# Altium PCB cheriot-test.PcbDoc (part 12 of 12)
Units mil, origin at the board's own origin, x right, y up, seen from the top; angles counter-clockwise.
Board outline 6629.92 x 3149.61 mil, 8 copper layers (Top Layer, Int1 (Sign), Int2 (GND), Int3 (Sign), Int4 (Sign), Int5 (PWR), Int6 (Sign), Bottom Layer), stack 60.424 mil thick; 496 components, 639 nets, 2898 pads, 1737 vias.
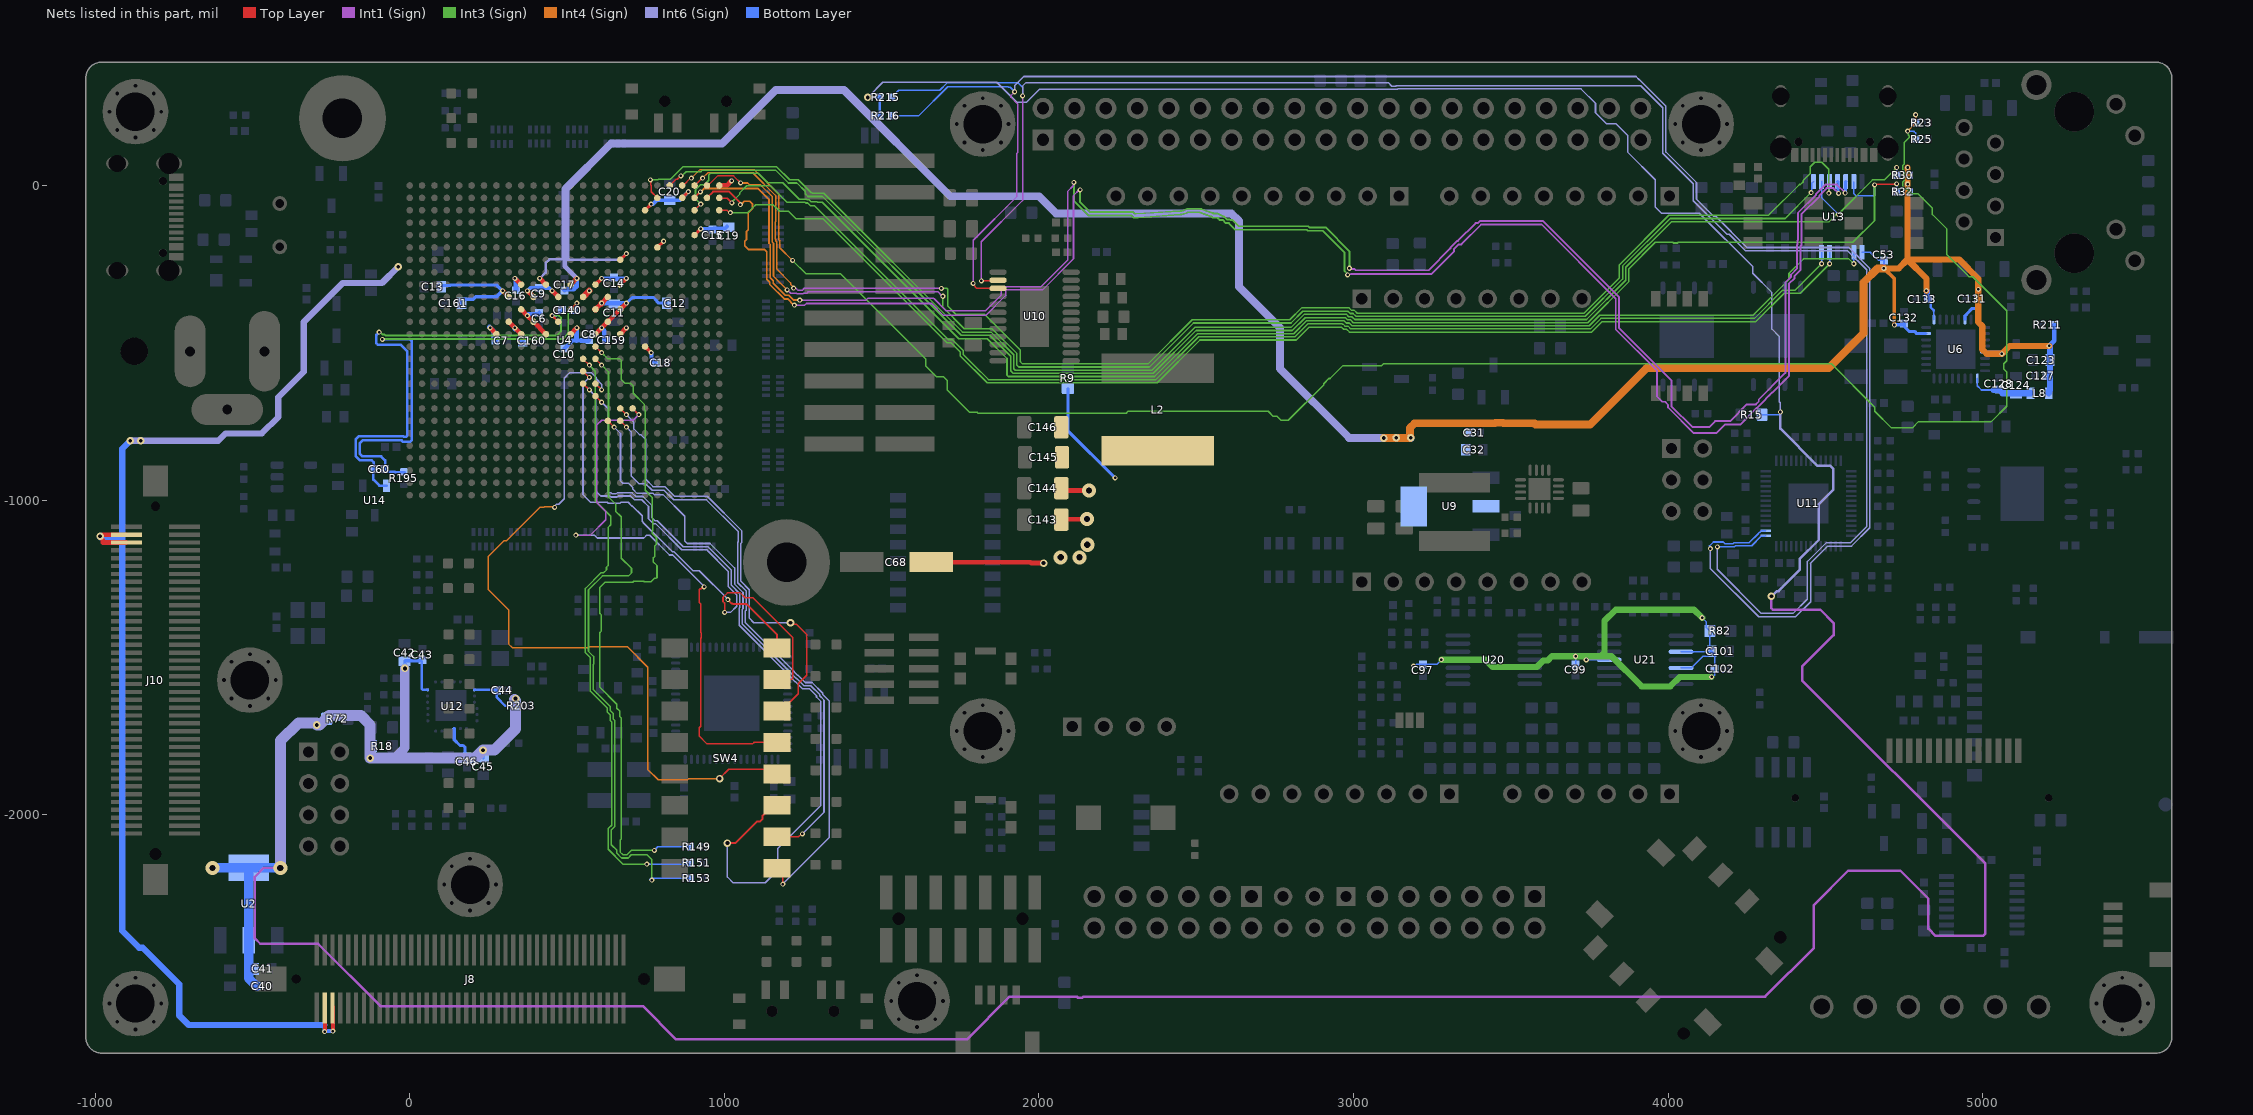
[diagram p18: the nets of this part, all layers, seen from the top]

## Via types
v1: diameter 16, hole 8, Top Layer to Bottom Layer, tented both sides, 1442 vias
v2: diameter 24, hole 12, Top Layer to Bottom Layer, tented both sides, 257 vias
v3: diameter 23.62, hole 11.81, Top Layer to Bottom Layer, tented both sides, 16 vias
v4: diameter 45, hole 20, Top Layer to Bottom Layer, 14 vias
v5: diameter 19.68, hole 8, Top Layer to Bottom Layer, 8 vias

## Nets (pads, with @x,y where several pads share a name; then routed paths per layer and width w, separated by ;. In a path a pad name is that pad's centre, name@x,y a point inside that pad or via, vN(x,y) a via of type N, cw(c..) or ccw(c..) an arc to the next point about the centre after c; other vN are vias at no path point) (continued)
USRLED5: R149.1 U4.L14 | length 2170.5
  Top Layer w5: U4.L14@590.55,-511.81 v1(610.24,-531.5)
  Int3 (Sign) w5: v1(610.24,-531.5) 628.74,-550 667,-550 672,-555 672,-616 685,-629 703,-629 711,-637 711,-656 710.57,-656.43 710.57,-660.57 746,-696 746,-712 749,-715 749,-969 770.5,-990.5 770.5,-1056.26 772.78,-1058.54 772.78,-1096.23 770.5,-1098.51 770.5,-1105.44 784.5,-1119.44 784.5,-1140.56 779,-1146.06 779,-1179.08 774.5,-1183.58 774.5,-1196.42 786.08,-1208 786.08,-1246.07 783.15,-1249 777.31,-1249 766.81,-1259.5 745.41,-1259.5 743.86,-1257.95 740.27,-1257.95 739.94,-1257.62 712.52,-1257.62 709.14,-1261 620.86,-1261 604,-1277.86 604,-1359.94 609.5,-1365.44 609.5,-1416.18 604.5,-1421.18 604.5,-1529.5 604,-1530 604,-1594.33 658.14,-1648.47 658.14,-1661.14 667.5,-1670.5 667.5,-1687.93 672,-1692.43 672,-2077.42 668.64,-2080.78 668.64,-2118.42 677.72,-2127.5 690.56,-2127.5 704.89,-2113.17 v1(777.83,-2113.17)
  Bottom Layer w5: v1@776,-2114 777,-2114 v1(777.83,-2113.17) 788.87,-2102.13 R149.1@892.44,-2102.13
USRLED6: R151.1 U4.M15 | length 1957.9
  Top Layer w5: U4.M15@551.18,-551.18 v1(570.87,-570.87)
  Int3 (Sign) w5: v1(570.87,-570.87) 590,-590 590,-1002 639.5,-1051.5 639.5,-1077.96 630.5,-1086.96 630.5,-1208.18 625.5,-1213.18 625.5,-1221.92 616.42,-1231 608.43,-1231 558.5,-1280.93 558.5,-1484.92 574.5,-1500.92 574.5,-1517.08 574,-1517.58 574,-1606.75 628.14,-1660.9 628.14,-1673.57 637.5,-1682.92 637.5,-1700.35 642,-1704.85 642,-2033.08 631,-2044.08 631,-2110 678,-2157 v1(754,-2157)
  Bottom Layer w5: v1@753,-2155 755,-2157 887.57,-2157 R151.1@892.44,-2152.13
USRLED7: R153.1 U4.L15 | length 2095.3
  Top Layer w5: U4.L15@590.55,-551.18 v1(610.24,-570.87)
  Int3 (Sign) w5: v1(610.24,-570.87) 632,-592.63 632,-990.08 654.5,-1012.58 654.5,-1035.08 672.5,-1053.08 672.5,-1184.42 705,-1216.92 705,-1231.52 695.52,-1241 612.57,-1241 568.5,-1285.07 568.5,-1480.78 584.5,-1496.78 584.5,-1521.22 584,-1521.72 584,-1602.61 638.14,-1656.75 638.14,-1669.42 647.5,-1678.78 647.5,-1696.21 652,-1700.71 652,-2037.22 641,-2048.22 641,-2095 658.64,-2112.64 658.64,-2122.56 673.58,-2137.5 694.7,-2137.5 704.64,-2127.56 754.56,-2127.56 770,-2143 v1(770,-2208)
  Bottom Layer w5: v1@763,-2207 767.87,-2202.13 R153.1@892.44,-2202.13
USRSW0: SW4.16 U4.M16 | length 1265.8
  Top Layer w5: U4.M16@551.18,-590.55 v1(570.87,-610.24)
  Top Layer w6: v1(1011.5,-1316) 1024.25,-1328.75 1027.03,-1328.75 1028.28,-1330 1070,-1330 1167.6,-1427.6 SW4.16@1167.6,-1470
  Int6 (Sign) w5: v1(570.87,-610.24) 551,-630.1 551,-983 575,-1007 627.69,-1007 630.76,-1010.07 668.45,-1010.07 671.52,-1007 694.48,-1007 706.08,-1018.6 707.67,-1018.6 739,-1049.94 739,-1067.24 742.78,-1071.02 742.78,-1071.92 835.36,-1164.5 840.44,-1164.5 900.22,-1224.28 920.78,-1224.28 1011.5,-1315 v1(1011.5,-1316)
USRSW1: SW4.15 U4.M17 | length 1596.3
  Top Layer w5: U4.M17@551.18,-629.92 v1(570.87,-649.61) ; v1(1001.23,-1357) 1001.23,-1327.65 996,-1322.42 996,-1309.08 1010.16,-1294.92 1051.27,-1294.92 1066.85,-1310.5 1091.15,-1310.5 1217.62,-1436.97 1217.62,-1567.07 1214.69,-1570 SW4.15@1167.6,-1570
  Int6 (Sign) w5: v1(570.87,-649.61) 591,-669.74 591,-970.56 607.44,-987 635.98,-987 639.04,-990.07 660.17,-990.07 663.24,-987 702.76,-987 714.36,-998.6 737.6,-998.6 759,-1020 759,-1058.95 775.6,-1075.56 782.78,-1075.56 865.11,-1157.89 943.89,-1157.89 1012.74,-1226.74 1012.74,-1274.78 1039.5,-1301.55 1039.5,-1337.5 1020,-1357 v1(1001.23,-1357)
USRSW2: SW4.14 U4.J19 | length 1417.5
  Top Layer w5: U4.J19@669.29,-708.66 v1(688.98,-728.35) ; SW4.14@1167.6,-1670 1180.2,-1670 1235,-1615.2 1235,-1583.31 1261.75,-1556.56 1261.75,-1426.75 1229,-1394 1220,-1394 1215.57,-1389.57 v2(1210.43,-1389.57)
  Int6 (Sign) w5: v1(688.98,-728.35) 712.85,-752.22 712.85,-774.14 730.3,-791.59 734.77,-791.59 750,-806.82 750,-933.6 773.4,-957 811,-957 842,-988 946.06,-988 1055,-1096.94 1055,-1135.58 1052.74,-1137.85 1052.74,-1258.21 1079.5,-1284.98 1079.5,-1354.07 1079,-1354.57 1079,-1374.57 1094,-1389.57 v2(1210.43,-1389.57)
USRSW3: SW4.13 U4.H19 | length 1838.4
  Top Layer w5: U4.H19@708.66,-708.66 v1(728.35,-728.35) ; v1(935.97,-1275.52) 932.99,-1275.52 927.04,-1281.47 923.54,-1281.47 920,-1285 920,-1325.08 924.5,-1329.58 924.5,-1420.58 926.5,-1422.58 926.5,-1437.12 925,-1438.62 925,-1718.58 920,-1723.58 920,-1750 945,-1775 1090,-1775 1095,-1770 SW4.13@1167.6,-1770
  Int1 (Sign) w5: v1(528,-1111) 574.7,-1111 623,-1062.7 623,-1036 594.74,-1007.74 594.74,-761.3 610.16,-745.87 710.82,-745.87 v1(728.35,-728.35)
  Int6 (Sign) w5: v1(528,-1111) 586.95,-1111 596.45,-1120.5 744.5,-1120.5 752.93,-1112.07 763.4,-1112.07 825.83,-1174.5 836.3,-1174.5 936.8,-1275 v1@938,-1275
USRSW4: SW4.12 U4.L17 | length 2445.2
  Top Layer w5: U4.L17@590.55,-629.92 v1(610.24,-649.61) ; v2(985,-1885) 1014.5,-1855.5 1153.1,-1855.5 SW4.12@1167.6,-1870
  Int4 (Sign) w5: 428,-1022 415.1,-1022 307.32,-1129.78 299.14,-1129.78 250.06,-1178.85 250.06,-1284.01 314.5,-1348.44 314.5,-1457.5 326.5,-1469.5 565.04,-1469.5 568.54,-1466 692,-1466 757,-1531 757,-1856 790,-1889 882.93,-1889 886.93,-1885 v2(985,-1885) v2@986,-1884 ; 428,-1021.25 459.25,-1021.25 v1(461,-1023)
  Int6 (Sign) w5: v1(461,-1023) 461,-1019 467,-1013 474,-1013 491,-996 491,-612.86 509.12,-594.74 577.29,-594.74 592.71,-610.16 592.71,-614.63 610.24,-632.16 v1(610.24,-649.61)
USRSW5: SW4.11 U4.L18 | length 2490.1
  Top Layer w5: U4.L18@590.55,-669.29 v1(610.24,-688.98)
  Top Layer w6: v2(1010,-2090) 1035,-2090 1103,-2022 1110.63,-2022 1110.82,-2021.8 1112.67,-2021.8 1122.05,-2012.43 1122.05,-2002.95 1155,-1970 SW4.11@1167.6,-1970
  Int6 (Sign) w5: v1(610.24,-688.98) 631,-709.74 631,-973.99 634.01,-977 640.12,-977 643.19,-980.07 656.03,-980.07 659.09,-977 706.9,-977 718.51,-988.6 741.75,-988.6 769,-1015.86 769,-1054.81 779.74,-1065.56 786.92,-1065.56 869.25,-1147.89 948.03,-1147.89 1022.74,-1222.59 1022.74,-1270.64 1049.5,-1297.4 1049.5,-1341.64 1047.26,-1343.88 1047.26,-1398.12 1201.62,-1552.48 1201.62,-1553.86 1224.76,-1577 1226.14,-1577 1248.83,-1599.69 1258.83,-1599.69 1270.83,-1599.69 1293.12,-1621.97 1293.12,-1625.94 1307,-1639.82 1307,-1647.86 1307,-1969.7 1170.5,-2106.2 1170.5,-2176.5 1170,-2177 ; v2(1010,-2090) 1010,-2198 1028,-2216 1130,-2216 1169.5,-2176.5
USRSW6: SW4.10 U4.K20 | length 1826.6
  Top Layer w5: U4.K20@629.92,-748.03 v1(649.61,-767.72) ; SW4.10@1167.6,-2070 1236.02,-2070 1245.02,-2061 v1(1248,-2061) v1@1249,-2061
  Int6 (Sign) w5: v1(649.61,-767.72) 670,-788.11 670,-939 677,-946 695.4,-946 709.02,-959.63 709.02,-964.98 722.65,-978.6 773.6,-978.6 777.49,-982.49 805.54,-982.49 874,-1050.96 874,-1130 881.89,-1137.89 954.89,-1137.89 1032.74,-1215.74 1032.74,-1266.5 1059.5,-1293.26 1059.5,-1345.78 1057.26,-1348.02 1057.26,-1393.98 1211.62,-1548.34 1211.62,-1549.72 1228.9,-1567 1230.28,-1567 1252.97,-1589.69 1274.97,-1589.69 1303.12,-1617.83 1303.12,-1621.8 1317,-1635.68 1317,-1992 v1(1248,-2061)
USRSW7: SW4.9 U4.J20 | length 1979
  Top Layer w5: U4.J20@669.29,-748.03 v1(688.98,-767.72) ; SW4.9@1167.6,-2170 1186.27,-2188.68 v1(1186.27,-2220.46) 1186.27,-2220.73 v1@1186,-2221
  Int6 (Sign) w5: v1(688.98,-767.72) 704.48,-783.22 704.48,-923.48 728.6,-947.6 749.86,-947.6 770.86,-968.6 808.46,-968.6 835.86,-996 836,-996 839.5,-999.5 943.42,-999.5 1044,-1100.08 1044,-1132.44 1042.74,-1133.71 1042.74,-1262.36 1069.5,-1289.12 1069.5,-1349.93 1067.26,-1352.17 1067.26,-1389.83 1221.62,-1544.2 1221.62,-1545.58 1233.04,-1557 1234.43,-1557 1257.12,-1579.69 1279.12,-1579.69 1313.12,-1613.69 1313.12,-1617.66 1333,-1637.54 1333,-2073 1186.27,-2219.73 v1(1186.27,-2220.46)
USRUSB_OE: R30.1 U4.F2 U13.3 | length 4795.7
  Top Layer w5: v1(765.36,17.53) 765.96,16.92 765.96,1.28 767.72,-0.47 767.72,-19.69 U4.F2@787.4,-39.37
  Int3 (Sign) w5: v1(765.36,17.53) 765.43,17.59 788.81,17.59 790.9,19.68 829.02,19.68 868.34,59 1167,59 1208,18 1235.06,18 1276.06,-23 1279,-23 1281,-25 1316.14,-25 1757.14,-466 1847.86,-466 1920.18,-538.32 1920.18,-582.18 1925,-587 2359.43,-587 2495.43,-451 2801.43,-451 2842.73,-409.71 2977.82,-409.71 2985.07,-416.95 2994.44,-416.95 3003.49,-426 3740.55,-426 3865.17,-301.38 3865.17,-260.18 4010.43,-114.92 4511.14,-114.92 4537.8,-88.27 4543.43,-88.27 4649.49,17.78 4686.88,17.78 v1(4726.3,57.21)
  Bottom Layer w5: U13.3@4489.07,13.76 U13.3@4487.6,12.28 4487.6,-38.07 v1(4541.73,-92.2) ; R30.1@4726.3,32.4 4726.3,50.24 v1(4726.3,57.21)
USRUSB_RCV: U4.C1 U13.4 | length 4512.9
  Top Layer w5: U4.C1@905.51,0 906.51,0 930.01,23.5 v1(931,23.5)
  Int1 (Sign) w5: v1(1220.11,-325.97) 1220.63,-326.48 1227.56,-326.48 1234.58,-333.5 1247.42,-333.5 1254.44,-326.48 1689.48,-326.48 v1(1690,-327)
  Int3 (Sign) w5: v1(1690,-327) 1707.07,-327 1710,-329.93 1710,-383 1736,-409 1827,-409 1940.18,-522.18 1940.18,-559 1948.18,-567 2347,-567 2487,-427 2797.15,-427 2836.15,-388 2984.4,-388 2993.35,-396.95 3002.72,-396.95 3011.77,-406 3732.27,-406 3845.17,-293.1 3845.17,-251.89 4002.14,-94.92 4318.98,-94.92 4417.08,3.18 4420.33,3.18 4429.41,12.26 4429.41,15.5 4451.92,38.01 4451.92,59.93 4465.56,73.58 4488.42,73.58 4510.48,51.51 v1(4510.48,-24.34)
  Int4 (Sign) w5: v1(931,23.5) 948,40.5 1090.64,40.5 1163,-31.86 1163,-114.37 1162.54,-114.83 1162.54,-171.21 1163,-171.67 1163,-175.57 1166.5,-179.07 1166.5,-265.5 1210.81,-309.81 1210.81,-313.69 1220.11,-322.99 v1(1220.11,-325.97)
  Bottom Layer w5: v1(4510.48,-24.34) 4511.84,-22.99 4511.84,10.93 U13.4@4513.19,12.28
USRUSB_SOFTCN: U4.B1 U13.2 | length 4271.5
  Top Layer w5: U4.B1@944.88,0 948.16,0 978.66,30.5 1029.5,30.5 v1(1052,8)
  Int1 (Sign) w5: v1(1200,-332) 1200.92,-332 1211.42,-342.5 1229.44,-342.5 1230.44,-343.5 1251.56,-343.5 1252.56,-342.5 1262.5,-342.5 1267,-338 1679.08,-338 1693.08,-352 v1(1694.5,-352)
  Int3 (Sign) w5: v1(1694.5,-352) 1695,-352.5 1695,-387 1763,-455 1851,-455 1930.18,-534.18 1930.18,-571 1936.18,-577 2351.14,-577 2491.14,-437 2801.29,-437 2838.58,-399.71 2981.97,-399.71 2989.21,-406.95 2998.58,-406.95 3007.63,-416 3736.41,-416 3855.17,-297.24 3855.17,-256.03 4006.28,-104.92 4371.8,-104.92 v1(4454.23,-22.49)
  Int4 (Sign) w5: v1(1052,8) 1074.85,8 1081.07,1.78 1115.22,1.78 1153,-36 1153,-110.23 1152.54,-110.69 1152.54,-175.35 1153,-175.81 1153,-179.71 1156.5,-183.21 1156.5,-288.5 v1(1200,-332)
  Bottom Layer w5: v1(4454.23,-22.49) 4454.23,-19.51 4456.63,-17.11 4456.63,6.91 U13.2@4462.01,12.28
USRUSB_SPD: U4.C3 U13.10 | length 4312.8
  Top Layer w5: U4.C3@905.51,-78.74 v1(925.2,-59.06)
  Int3 (Sign) w5: v1@924.14,-58 908.5,-42.36 908.5,-13.58 923.83,1.75 935.21,1.75 950.54,17.08 950.54,33.54 956,39 1108.08,39 1138.08,9 1185.86,9 1238.38,-43.52 1260.53,-43.52 1262.59,-45.58 1269.48,-45.58 1275.9,-52 1295,-52 ; 1295,-53 1311,-53 1745,-487 1836,-487 1898.5,-549.5 1898.5,-603.48 1902.02,-607 2367.72,-607 2503.72,-471 2809.72,-471 2850.72,-430 2967.86,-430 2968.36,-430.5 2970.33,-430.5 2976.78,-436.95 2986.15,-436.95 2995.2,-446 3748.84,-446 3782.23,-412.61 4269.97,-412.61 4383.98,-298.6 4383.98,-279.26 4430,-233.25 4574.46,-233.25 v1(4589.96,-248.75)
  Bottom Layer w5: v1(4589.96,-248.75) 4589.96,-241.78 U13.10@4589.96,-212.13
USRUSB_SUS: R32.1 U4.E1 U13.7 | length 4741.7
  Top Layer w5: U4.E1@826.77,0 846.79,20.01 850.32,20.01 860.81,30.5 v1(861.76,30.5) ; v1(4655.91,2.28) 4657.21,3.59 4725,3.59 v1(4726.3,4.89)
  Int3 (Sign) w5: v1(861.76,30.5) 864.73,30.5 870.23,36 870.71,36 878.71,44 925.8,44 930.8,49 1162.86,49 1203.86,8 1230.92,8 1257.5,-18.58 1257.5,-26.35 1266.15,-35 1312,-35 1753,-476 1843.72,-476 1910.18,-542.46 1910.18,-589.18 1918,-597 2363.57,-597 2499.57,-461 2805.57,-461 2846.57,-420 2972,-420 2972.5,-420.5 2974.47,-420.5 2980.92,-426.95 2990.3,-426.95 2999.35,-436 3744.7,-436 3875.17,-305.53 3875.17,-264.32 3958.95,-180.53 4014.63,-180.53 4016.94,-182.84 4029.78,-182.84 4032.09,-180.53 4587.03,-180.53 4655.91,-111.66 v1(4655.91,2.28)
  Bottom Layer w5: U13.7@4589.96,12.28 4589.96,-25.28 4597.83,-33.15 4655.91,-33.15 v1(4655.91,2.28) ; R32.1@4726.3,-19.92 4726.3,-2.07 v1(4726.3,4.89)
USRUSB_V_N: U4.B2 U13.6 | length 5518.9
  Top Layer w6: U4.B2@944.88,-39.37 964.57,-19.69 1015.65,-19.69 1049.09,-53.12 1049.09,-59.01 v1(1051,-60.93)
  Int1 (Sign) w5: v1(1223,-380) 1256,-380 1261,-375 1659,-375 1697,-413 1831,-413 1894,-350 1894,-334.93 1896.93,-332 2011.14,-332 2110,-233.14 2110,-32 2128.08,-13.92 v1(2130.92,-13.92)
  Int1 (Sign) w6: v1(2987,-263) 2988.91,-264.91 3002.54,-264.91 3007,-269.37 3238.33,-269.37 3308,-199.7 3308,-197.67 3329.67,-176 3331.7,-176 3388.19,-119.51 3394.67,-119.51 3401.18,-113 3602.56,-113 3844.32,-354.77 3844.32,-453.17 4010.48,-619.33 4010.48,-700.94 4077.44,-767.91 4130.06,-767.91 4148.97,-749 4196.82,-749 4249.9,-695.92 4278.61,-695.92 4287.98,-686.55 4287.98,-680.2 4372.48,-595.7 4372.48,-308.31 4390.95,-289.84 4390.95,-282.87 4409.42,-264.4 4409.42,-189.29 4410.52,-188.19 4410.52,-174.94 4412.67,-172.79 4412.67,-86.68 4470.23,-29.12 4470.23,-26.41 4499.3,2.66 4536.53,2.66 4562.46,-23.27 v1(4562.46,-23.86)
  Int3 (Sign) w6: v1(2130.92,-13.92) 2130.92,-52.84 2162.08,-84 2298.6,-84 2304.35,-89.74 2309.32,-89.74 2449.07,-81.46 2453.35,-80.68 ccw(c2444.72,-33.94) 2470.29,-74 2490.54,-74 2513.7,-75.04 2516.61,-75.22 2552.18,-87.23 2553.43,-88.48 2553.95,-89 2567.57,-89 2571.38,-90.91 2586.48,-98.49 ; 2586.51,-98.5 2588.18,-98.5 2598.18,-108.5 2608.18,-108.5 2609.18,-109.5 2614.5,-109.5 2634.5,-129.5 2856.05,-129.5 2859.47,-132.92 2911.08,-132.92 2987,-208.85 v1(2987,-263)
  Int4 (Sign) w6: v1(1051,-60.93) 1053.19,-60.93 1064.12,-50 1080.63,-50 1090,-59.37 1090,-72.63 1075.99,-86.63 1075.99,-141.38 1070,-147.37 1070,-172 1065,-177 1065,-191.94 1076.37,-203.31 1127.31,-203.31 1135,-211 1135,-297.41 1144.5,-306.91 1144.5,-314.68 1190.45,-360.64 1201.64,-360.64 1221,-380 v1(1223,-380)
  Bottom Layer w10: v1(4562.46,-23.86) 4563.22,-23.1 4563.22,11.14 U13.6@4564.37,12.28
USRUSB_V_P: U4.C2 U13.5 | length 5583.3
  Top Layer w6: U4.C2@905.51,-39.37 909.53,-39.37 909.53,-34.91 924,-20.44 v1(924,-20)
  Int1 (Sign) w5: v1(1239.78,-364.28) 1239.94,-364.12 1450.74,-364.12 1456.86,-358 1665,-358 1666.98,-359.98 1705,-398 1830,-398 1880,-348 1880,-324.93 1882.93,-322 2007,-322 2091,-238 2091,-19 2108.9,-1.1 v1@2108.9,10.9
  Int1 (Sign) w6: v1(2981,-284) 2982.91,-282.09 2991.09,-282.09 2992,-281.18 3248.56,-281.18 3319,-210.74 3319,-202.23 3334.23,-187 3342.74,-187 3405.74,-124 3598,-124 3833.32,-359.32 3833.32,-457.73 3964.84,-589.24 3964.84,-670.86 3981.47,-687.5 3990.1,-687.5 3999.48,-696.87 3999.48,-705.5 4080.9,-786.92 4153.45,-786.92 4180.37,-760 4229.09,-760 4282.17,-706.92 4283.17,-706.92 4298.98,-691.11 4298.98,-690.11 4321.88,-667.21 4321.88,-666.71 4331.25,-657.34 4331.75,-657.34 4383.48,-605.61 4383.48,-312.86 4401.95,-294.39 4401.95,-287.42 4420.42,-268.95 4420.42,-193.85 4423.67,-190.6 4423.67,-91.23 4481.23,-33.67 4481.23,-30.97 4503.86,-8.34 4524.9,-8.34 v1(4541.48,-24.92)
  Int3 (Sign) w6: v1(2111,10) 2111,-48.48 2157.52,-95 2294.05,-95 2301.55,-102.5 2315.63,-102.5 2450.08,-92.46 2453.96,-92.14 2458.71,-90.87 2461.98,-89.86 ccw(c2444.72,-33.94) 2471.93,-85.76 2473.37,-85 2485.98,-85 2511.87,-86.04 2547.63,-98.23 2548.87,-99.48 2551.9,-102.5 2567.5,-102.5 2570.27,-105.27 2574.5,-109.5 2583.63,-109.5 2593.63,-119.5 2603.63,-119.5 2624.63,-140.5 2851.49,-140.5 2854.92,-143.92 2901.55,-143.92 2971.31,-213.69 2971,-214 2971,-271.29 2981,-281.29 v1(2981,-284)
  Int4 (Sign) w6: v1(924,-20) 926.04,-20 937.04,-9 1105.99,-9 1142.5,-45.51 1142.5,-105.88 1142.04,-106.34 1142.04,-183.6 1146,-187.56 1146,-292.85 1155.5,-302.35 1155.5,-310.13 1194.19,-348.81 1205.37,-348.81 1220.56,-364 1239.5,-364 v1(1239.78,-364.28)
  Bottom Layer w10: U13.5@4538.78,12.28 4540.34,10.73 4540.34,-23.77 v1(4541.48,-24.92)
USRUSB_VBUSDETECT: R23.2 R25.1 U4.D1 | length 6082.1
  Top Layer w5: U4.D1@866.14,0 869.24,0 892.74,23.5 v1(895.72,23.5)
  Int3 (Sign) w5: v1(1217.04,-238.27) 1258.78,-280 1368.83,-280 1640.5,-551.67 1640.5,-573.65 1675.35,-608.5 1697.33,-608.5 1709.08,-620.25 1709.08,-650.94 1779.15,-721 1804.08,-721 1806.58,-723.5 2277.46,-723.5 2283.32,-717.65 2728.64,-717.65 2745.08,-734.09 2757.8,-734.09 2769.71,-746 2792.71,-746 2904.93,-633.78 2904.93,-630.15 2921.58,-613.5 2925.21,-613.5 2966.21,-572.5 3089.28,-572.5 3094.78,-567 3098.63,-567 3098.89,-566.74 4518.86,-566.74 4656.68,-704.55 4656.68,-717.54 4709.56,-770.42 4775.48,-770.42 4795.48,-750.42 5027.4,-750.42 5076.48,-701.34 5076.48,-593 5066.48,-583 5066.48,-566.84 5076.48,-556.84 5076.48,-398.5 4967.9,-289.92 4955.98,-289.92 4885.98,-219.92 4885.98,-138.45 4839.89,-92.36 4839.89,-72.11 4793.8,-26.02 4774.66,-26.02 4759.58,-10.94 4754.42,-10.94 4745.34,-1.86 4745.34,10.98 4750.17,15.81 4750.17,45.92 4745.3,50.79 4745.3,63.63 4750.17,68.5 4750.17,136.44 4766.3,152.57 4766.3,157.57 4762.9,160.97 4762.9,170.47 v1(4760.8,172.57)
  Int4 (Sign) w5: v1(895.72,23.5) 922.72,50.5 1094.78,50.5 1173,-27.72 1173,-118.51 1172.54,-118.97 1172.54,-167.07 1173,-167.53 1173,-171.43 1176.5,-174.93 1176.5,-197.72 v1(1217.04,-238.27) ; v1(4760.8,172.57) 4786.3,198.07 v1(4786.3,224.89)
  Bottom Layer w5: v1(4760.8,172.57) 4780.8,172.57 4786.3,167.07 R25.1@4786.3,147.76 ; R23.2@4786.3,200.08 4786.3,217.93 v1(4786.3,224.89)
USRUSB_VMO: U4.A2 U13.14 | length 4001.1
  Top Layer w5: U4.A2@984.25,-39.37 985.32,-40.44 1009.44,-40.44 v1(1024,-55)
  Int3 (Sign) w5: v1(1024,-55) 1024,-53.08 1048.62,-28.46 1048.62,-23.52 1071.13,-1 1147,-1 1199.52,-53.52 1256.38,-53.52 1258.45,-55.58 1265.34,-55.58 1274.76,-65 1287.57,-65 1712.07,-489.5 1724.65,-489.5 1759.5,-524.35 1759.5,-536.93 1792.79,-570.21 1839.57,-617 2371.86,-617 2507.86,-481 2813.86,-481 2854.86,-440 2963.72,-440 2964.22,-440.5 2966.19,-440.5 2972.64,-446.95 2982.01,-446.95 2991.06,-456 3752.98,-456 3786.37,-422.61 4274.11,-422.61 4364.45,-332.28 4404.07,-332.28 v1(4487.6,-248.75)
  Bottom Layer w5: v1(4487.6,-248.75) 4487.6,-241.78 U13.14@4487.6,-212.13
USRUSB_VPO: U4.A3 U13.13 | length 3991.4
  Top Layer w5: U4.A3@984.25,-78.74 1008.76,-78.74 1016.02,-86 v1(1019,-86)
  Int3 (Sign) w5: v1(1019,-86) 1074.67,-86 1079.17,-81.5 1080.42,-81.5 1089.5,-72.42 1089.5,-71.17 1099.67,-61 1155,-61 1176,-82 1204.08,-82 1227.58,-105.5 1313.93,-105.5 1707.93,-499.5 1720.5,-499.5 1749.5,-528.5 1749.5,-541.07 1835.43,-627 2376,-627 2512,-491 2818,-491 2859,-450 2959.57,-450 2960.07,-450.5 2962.05,-450.5 2968.5,-456.95 2977.87,-456.95 2986.92,-466 3757.12,-466 3790.51,-432.61 4278.25,-432.61 4368.59,-342.28 4419.66,-342.28 v1(4513.19,-248.75)
  Bottom Layer w5: v1(4513.19,-248.75) U13.13@4513.19,-212.13
VCC1V8: C14.1 C15.1 C16.1 C17.1 C18.1 C19.1 C20.1 C31.1 C32.1 C53.1 C123.1 C127.1 C131.1 C132.1 C133.1 J8.76 J8.78 J10.76 J10.78 L8.1 R30.2 R32.2 R211.1 U4.A1 U4.C5 U4.D2 U4.F6 U4.G3 U4.G14 U4.J7 U4.J9 U4.L9 U4.N9 U4.R9 U4.U9 U6.5 U6.23 U6.25 U6.30 U9.2 U9.4 U13.9 | length 13093.5
  Top Layer w10: U4.J7@669.29,-236.22 v1(688.98,-216.54) ; U4.G3@748.03,-78.74 v1(767.72,-59.06) ; U4.F6@787.4,-196.85 v1(807.09,-177.17) ; U4.D2@866.14,-39.37 v1(885.83,-19.69) ; U4.C5@905.51,-157.48 v1(925.2,-137.8)
  Top Layer w12: v1@-269.35,-2688.35 J8.78@-269.35,-2611.65 ; v1@-243.35,-2687.35 J8.76@-243.35,-2610.65 ; U4.L9@590.55,-314.96 v1(610.24,-295.28) ; U4.J9@669.29,-314.96 v1(688.98,-295.28) ; U4.G14@748.03,-511.81 v1(767.72,-531.5)
  Top Layer w15: v2@-984,-1119 -982.44,-1119 -975.21,-1126.22 -975.21,-1134.65 J10.76@-900.39,-1134.65 ; v2(-984,-1115) -981.56,-1115 -976.21,-1109.65 J10.78@-900.39,-1109.65 ; v1(334.65,-295.28) U4.U9@354.33,-314.96 ; v1(413.39,-295.28) U4.R9@433.07,-314.96 ; U4.N9@511.81,-314.96 v1(531.5,-295.28) ; U4.A1@984.25,0 985.37,1.12 1008.85,1.12 1022.73,15 v1(1023,15)
  Int4 (Sign) w12: v1(4685.98,-263.63) 4718.94,-296.59 v1(4718.94,-443.4)
  Int4 (Sign) w20: v1(4685.98,-263.63) 4732.51,-263.63 4760.8,-235.34 ; v1(4760.8,57.21) 4760.8,-235.34 ; v1(4820.87,-334.27) 4820.87,-295.42 4760.8,-235.34 ; v1(5210.98,-509.92) 5085.98,-509.92 v1(5060.98,-534.92) 5012.01,-534.92 4998.43,-521.34 4998.43,-446.54 4985.98,-434.09 v1(4985.98,-329.92) 4985.98,-296.3 4925.03,-235.34 4760.8,-235.34
  Int4 (Sign) w25: v2(3096,-803) 3096.88,-802.12 v2(3135.96,-802.12) 3178.12,-802.12 v2@3179,-803 ; v2@3180.92,-801.08 3179.53,-799.69 3179.53,-770.26 3194.17,-755.62 3449.05,-755.62 3450.44,-754.23 3474.87,-754.23 3476.26,-755.62 3574.6,-755.62 3578.41,-759.44 3752.45,-759.44 3931.5,-580.39 4510.24,-580.39 4620.47,-470.16 4620.47,-308.74 4665.58,-263.63 v1(4685.98,-263.63)
  Int6 (Sign) w8: v1(413.39,-295.28) 432,-276.66 432,-247 444,-235 497,-235 ; 497,-236 669.51,-236 v1(688.98,-216.54)
  Int6 (Sign) w15: 493,-236 493,-256.78 v1(531.5,-295.28)
  Int6 (Sign) w20: v2(-888,-811) v2(-855,-811) -608,-811 -585,-788 -470,-788 -418,-736 -418,-673 -337,-592 -337,-434 -213,-310 -88,-310 v2(-36,-258)